# Altium PCB Atlas-Pi.PcbDoc (part 2 of 3) (continued)
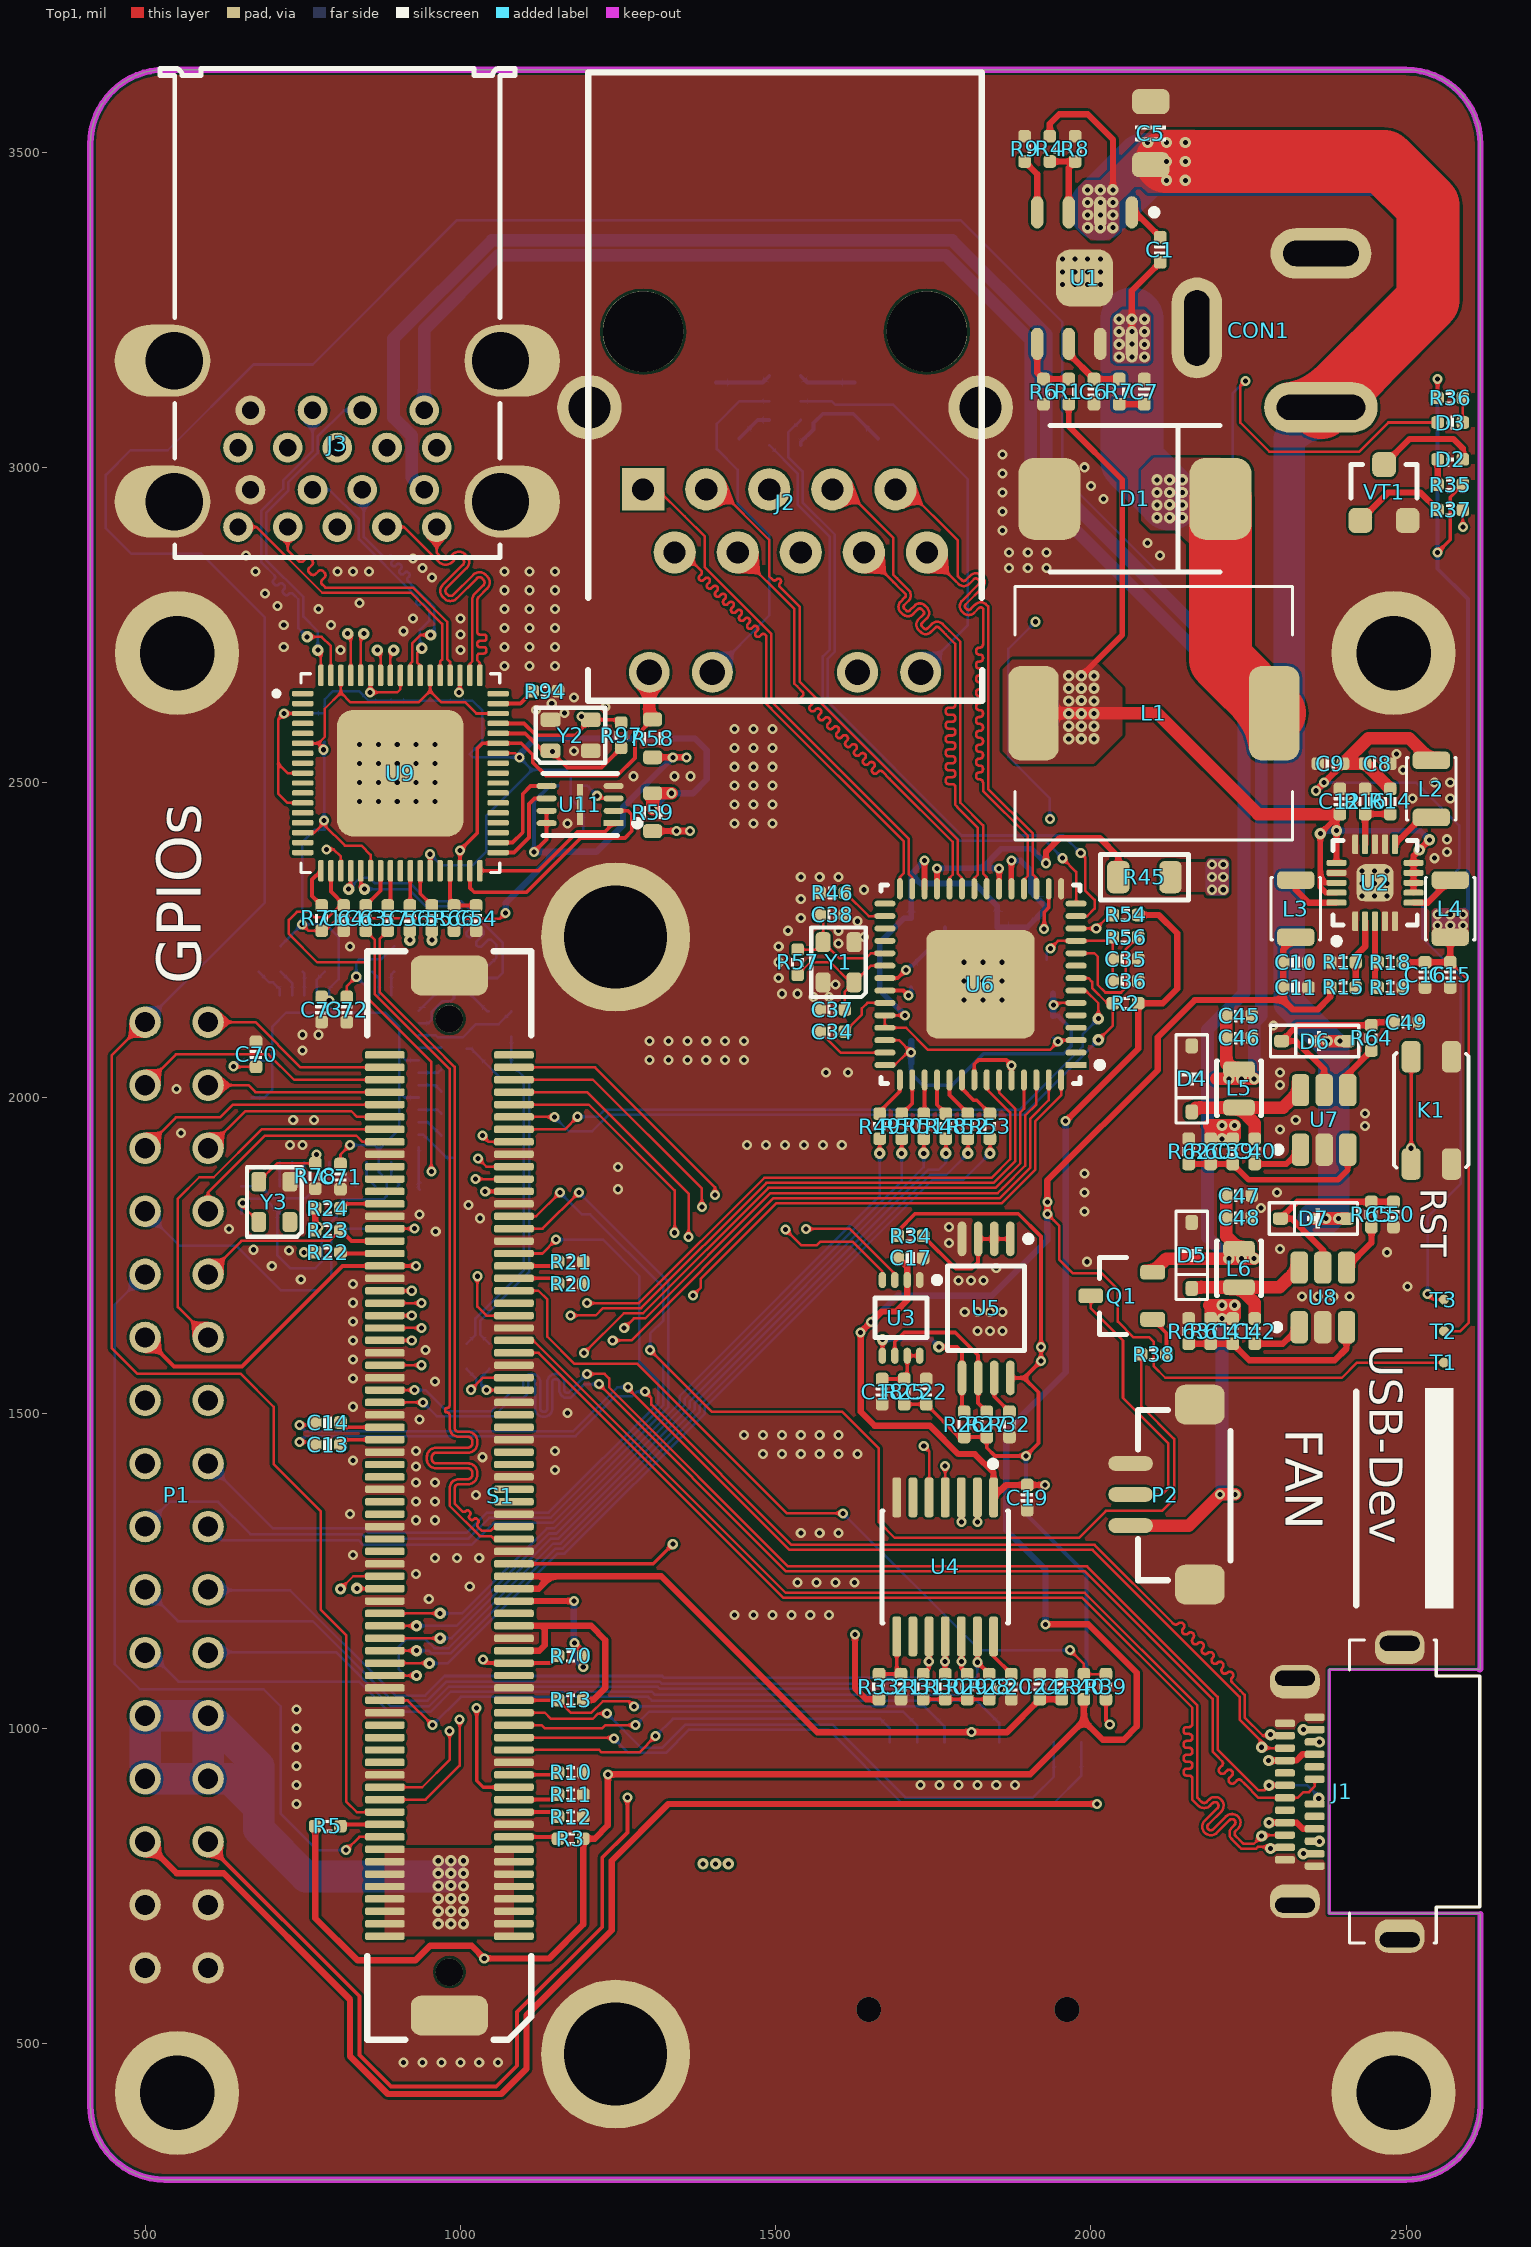
[diagram p0: Top1 view]
## Nets (pads, with @x,y where several pads share a name; then routed paths per layer and width w, separated by ;. In a path a pad name is that pad's centre, name@x,y a point inside that pad or via, vN(x,y) a via of type N, cw(c..) or ccw(c..) an arc to the next point about the centre after c; other vN are vias at no path point) (continued)
  Top1 w10: U7.5@2370,2012.24 2370,2045 2325,2090 D6.2@2302.66,2090 2327.66,2115 R64.1@2445,2115 2450,2120 C49.2@2480,2120
NetC50_2: C50.2 D7.2 R65.1 U8.5 | length 306.4
  Top1 w10: U8.5@2368,1730.74 2368,1759 2318.5,1808.5 D7.2@2300.66,1808.5 2327.16,1835 R65.1@2445,1835 C50.2@2480,1835
NetC55_2: C55.2 U9.28 | length 62.7
  Top1 w6: U9.28@936.5,2360.08 936.5,2323.5 C55.2@955,2305
NetC56_2: C56.2 U9.27 | length 54.3
  Top1 w6: C56.2@920.75,2305.75 U9.27@920.75,2360.08
NetC57_2: C57.2 U9.25 | length 56.8
  Top1 w6: C57.2@885,2305 889.25,2309.25 U9.25@889.25,2360.08
NetC63_2: C63.2 U9.24 | length 64.8
  Top1 w6: C63.2@850,2305 873.5,2328.5 U9.24@873.5,2360.08
NetC65_2: C65.2 R74.1 R83.1 | length 538
  Bottom4 w4: C65.2@1046,1610 1032,1624 1032,1646.69 1109,1723.69 1109,1735 1109,2025 1084,2050 R83.1@1081,2050 R74.1@1081,2097
NetC66_2: C66.2 R67.1 R77.2 U10.21 | length 183.1
  Bottom4 w4: R67.1@653,1860 R77.2@683.25,1860 702.25,1841 755,1841 C66.2@774,1860 752.79,1881.21 U10.21@752.79,1897.62
NetC67_2: C67.2 R76.1 R84.1 | length 563.7
  Bottom4 w4: C67.2@1010,1610 1024,1624 1024,1650 1101,1727 1101,2021.69 1092.69,2030 1065,2030 R84.1@1045,2050 1017,2078 R76.1@1010,2078
NetC68_2: C68.2 R97.2 U9.48 Y2.3 | length 214.9
  Top1 w6: U9.48@1059.92,2593.74 1101.26,2593.74 1120,2575 1182.28,2575 Y2.3@1206.89,2599.61 1250.39,2599.61 R97.2@1255,2595
  other v1: 1192,2605
NetC69_2: C69.2 R97.1 U9.47 Y2.1 | length 230.3
  Top1 w6: U9.47@1059.92,2577.99 1102.87,2577.99 1115.86,2565 1116,2565 1130.61,2550.39 Y2.1@1143.11,2550.39 1169.5,2524 1224,2524 R97.1@1255,2555
  other v1: 1146,2549
NetD2_1: D2.1 R35.2 | length 40
  Top1 w10: R35.2@2550,2972.5 D2.1@2550,3012.5
NetD2_2: D2.2 VT1.3 | length 165.6
  Top1 w10: VT1.3@2465,3004.29 2505.71,3045 2575,3045 2590,3030 D2.2@2590,3012.5
NetD3_1: D3.1 R36.2 | length 39
  Top1 w4: D3.1@2590,3071 R36.2@2590,3110
NetJ2_12: J2.12 R41.1 | length 563.9
  Bottom4 w4: J2.12@1399.69,2674.84 1490,2765.16 1490,2892 1440,2942 1440,2996 1407,3029 1407,3069 1443,3105 R41.1@1490,3105
NetJ2_14: J2.14 R44.1 | length 653.6
  Bottom4 w4: R44.1@1540,3105 1589,3105 1595,3099 1687,3099 1805,2981 1805,2749.84 J2.14@1730,2674.84
NetL2_1: L2.1 U2.11 | length 75.4
  Top1 w10: U2.11@2482.24,2402.05 2524.92,2444.72 L2.1@2540,2444.72
NetL3_1: L3.1 U2.20 | length 88.5
  Top1 w10: L3.1@2325,2345.28 2325,2330 2345.47,2309.53 U2.20@2389.72,2309.53
NetL4_1: L4.1 U2.6 | length 73
  Top1 w10: U2.6@2511.77,2309.53 2534.25,2309.53 L4.1@2570,2345.28
NetP2_2: P2.2 Q1.3 | length 420.2
  Top1 w4: Q1.3@1999.94,1686 1999.94,1666.06 2051,1615 2051,1524 2123,1452 2123,1381 2112.79,1370.79 P2.2@2063,1370.79
NetQ1_1: Q1.1 R38.2 | length 64.7
  Top1 w6: Q1.1@2098.06,1648.6 2120,1626.65 R38.2@2120,1593
NetR3_2: R3.2 S1.18 | length 71.2
  Top1 w6: S1.18@1085,827.88 1152.12,827.88 R3.2@1155,825
NetR4_1: R4.1 R8.2 U1.3 | length 124.8
  Top1 w10: R4.1@1935,3485 R8.2@1975,3485 1965,3475 U1.3@1965,3404.33
NetR5_2: R5.2 S1.19 | length 71.3
  Top1 w6: R5.2@810,845 812.56,847.56 S1.19@880.28,847.56
NetR9_2: R9.2 U1.4 | length 89
  Top1 w10: R9.2@1895,3485 1915,3465 U1.4@1915,3404.33
NetR10_1: R10.1 S1.28 | length 71.5
  Top1 w6: S1.28@1085,926.3 1151.3,926.3 R10.1@1155,930
NetR11_1: R11.1 S1.24 | length 73.3
  Top1 w6: S1.24@1085,886.93 1146.93,886.93 R11.1@1155,895
NetR12_1: R12.1 S1.22 | length 73
  Top1 w6: S1.22@1085,867.24 1147.76,867.24 R12.1@1155,860
NetR14_1: R14.1 R16.2 U2.14 | length 88
  Top1 w10: U2.14@2435,2402.05 R16.2@2435,2450 R14.1@2475,2450
NetR15_1: R15.1 R17.2 U2.2 | length 111.2
  Top1 w10: R15.1@2420,2175 R17.2@2420,2215 2420,2225 2435,2240 U2.2@2435,2280
NetR18_1: R18.1 R19.2 U2.3 | length 100.7
  Top1 w10: R19.2@2450.75,2179.25 U2.3@2450.75,2280
NetR20_2: R20.2 S1.108 | length 73.6
  Top1 w6: S1.108@1085,1713.7 1146.3,1713.7 R20.2@1155,1705
NetR21_2: R21.2 S1.110 | length 72.7
  Top1 w6: S1.110@1085,1733.39 1148.39,1733.39 R21.2@1155,1740
NetR22_1: R22.1 S1.111 | length 71.1
  Top1 w6: R22.1@810,1755 811.93,1753.07 S1.111@880.28,1753.07
NetR24_1: R24.1 S1.119 | length 73.1
  Top1 w6: R24.1@810,1825 816.81,1831.81 S1.119@880.28,1831.81
NetR32_2: R32.2 U5.7 | length 63.8
  Top1 w6: U5.7@1846.8,1555.76 1846.8,1526.2 R32.2@1871,1502
NetR34_1: R34.1 U5.1 U5.2 U5.3 | length 201.2
  Top1 w6: R34.1@1734,1781 1786,1729 1811,1729 1821.2,1739.2 U5.3@1821.2,1776.24 U5.2@1846.8,1776.24 U5.1@1872.39,1776.24
NetR37_2: R37.2 VT1.1 | length 152.1
  Top1 w10: VT1.1@2427.6,2915.71 2471.89,2960 2522.5,2960 R37.2@2550,2932.5
NetR39_1: R39.1 TF1.9 | length 42.5
  Top1 w6: R39.1@2024,1046 2024,1012 v1(2030,1006)
NetR42_2: R42.2 VT2.1 | length 168.2
  Bottom4 w6: R42.2@1540,3035 1540,3040 1560,3060 1560,3070 1575,3085 1623.11,3085 VT2.1@1662.4,3045.71
NetR43_2: R43.2 VT3.1 | length 59.7
  Bottom4 w6: VT3.1@1442.4,3045.71 1471.69,3075 R43.2@1490,3075
NetR46_1: R46.1 U6.30 | length 77.6
  Top1 w4: R46.1@1611,2325 1647.73,2288.27 U6.30@1673.4,2288.27
NetR48_1: R48.1 U6.46 | length 59.2
  Top1 w6: U6.46@1756.1,2028.4 1756.1,1988.9 R48.1@1770,1975
NetR49_1: R49.1 U6.43 | length 67.1
  Top1 w6: R49.1@1664,1975 1664,1977 1697.05,2010.05 U6.43@1697.05,2028.4
NetR50_1: R50.1 U6.44 | length 61.3
  Top1 w6: R50.1@1700,1974 1716.73,1990.73 U6.44@1716.73,2028.4
NetR51_1: R51.1 U6.45 | length 50
  Top1 w6: R51.1@1736.42,1978.42 U6.45@1736.42,2028.4
NetR52_1: R52.1 U6.47 | length 65.5
  Top1 w6: U6.47@1775.79,2028.4 1775.79,2004.21 R52.1@1805,1975
NetR53_1: R53.1 U6.48 | length 74.8
  Top1 w6: U6.48@1795.47,2028.4 1795.47,2014.53 1814,1996 1819,1996 R53.1@1840,1975
NetR56_1: R56.1 U6.10 | length 222.7
  Top1 w4: U6.10@1976.6,2229.21 2005.79,2229.21 2011,2224 2011,2179 2023,2167 2048,2167 2055,2174 2055,2235 R56.1@2075,2255
NetR64_2: R64.2 U7.4 | length 78.3
  Top1 w10: U7.4@2407.4,2012.24 2407.4,2037.4 R64.2@2445,2075
NetR65_2: R65.2 U8.4 | length 80.7
  Top1 w10: U8.4@2405.4,1730.74 2445,1770.34 R65.2@2445,1795
NetR69_2: R69.2 U10.1 | length 48.8
  Bottom4 w4: U10.1@934.38,2138.27 966.11,2170 R69.2@970,2170
NetR71_2: R71.2 U9.18 | length 67.1
  Top1 w6: U9.18@779.02,2360.08 765,2346.06 765,2320 R71.2@780,2305
NetR72_2: R72.2 U10.2 | length 134.6
  Bottom4 w4: U10.2@934.38,2118.58 949.58,2118.58 954.98,2123.98 954.98,2136.57 971.18,2152.77 984.77,2152.77 990,2158 990,2185 R72.2@970,2205
NetR73_1: R73.1 U10.41 | length 42.8
  Bottom4 w4: U10.41@772.47,2162.38 772.47,2187.47 R73.1@785,2200
NetR74_2: R74.2 U10.3 | length 164.8
  Bottom4 w4: U10.3@934.38,2098.9 961.1,2098.9 964,2096 1004,2096 1025,2117 1061,2117 R74.2@1081,2137
NetR75_1: R75.1 U10.40 | length 38.8
  Bottom4 w4: R75.1@750,2200 752.79,2197.21 U10.40@752.79,2162.38
NetR76_2: R76.2 U10.4 | length 35.9
  Bottom4 w4: U10.4@934.38,2079.21 969.21,2079.21 R76.2@970,2080
NetR79_2: R79.2 U10.6 | length 37.8
  Bottom4 w4: U10.6@934.38,2039.84 964.84,2039.84 R79.2@970,2045
NetR80_2: R80.2 U10.7 | length 39.8
  Bottom4 w4: U10.7@934.38,2020.16 959.84,2020.16 R80.2@970,2010
NetR85_1: R85.1 U10.19 | length 63.1
  Bottom4 w4: U10.19@792.16,1897.62 792.16,1888.84 804,1877 817.5,1877 R85.1@834.5,1860
NetR86_2: R86.2 U10.9 | length 38
  Bottom4 w4: U10.9@934.38,1980.79 964.21,1980.79 R86.2@970,1975
NetR87_1: R87.1 U10.22 | length 42
  Bottom4 w4: U10.22@733.1,1897.62 733.1,1870.65 R87.1@743.75,1860
NetR88_2: R88.2 U10.10 | length 44.4
  Bottom4 w4: U10.10@934.38,1961.1 948.9,1961.1 R88.2@970,1940
NetR89_2: R89.2 U10.11 | length 70.7
  Bottom4 w4: U10.11@934.38,1941.42 941.58,1941.42 978,1905 R89.2@990,1905
NetR90_2: R90.2 U10.12 | length 68.2
  Bottom4 w4: U10.12@934.38,1921.73 934.38,1855.62 R90.2@935.86,1854.14
NetR91_1: R91.1 U10.16 | length 43.2
  Bottom4 w4: U10.16@851.21,1897.62 851.21,1873.54 R91.1@864.75,1860
NetR92_2: R92.2 U11.3 | length 56.5
  Top1 w4: v1(1217,2479) 1221.16,2474.84 U11.3@1243.17,2474.84
  Bottom4 w4: R92.2@1195,2495 1201,2495 v1(1217,2479)
NetR93_1: R93.1 U10.46 | length 42.1
  Bottom4 w4: R93.1@860,2200 870.9,2189.1 U10.46@870.9,2162.38
NetR94_2: R94.2 U9.50 | length 63.3
  Top1 w6: U9.50@1059.92,2625.24 1095.24,2625.24 R94.2@1115,2645
NetR95_2: R95.2 U10.14 | length 43.9
  Bottom4 w4: U10.14@890.58,1897.62 890.58,1875.28 903.43,1862.43 R95.2@901,1860
NetR96_2: R96.2 U10.47 | length 39.4
  Bottom4 w4: U10.47@890.58,2162.38 890.58,2195.58 R96.2@895,2200
NetR98_2: R98.2 U10.23 | length 37.7
  Bottom4 w4: U10.23@713.42,1897.62 713.42,1860.08 R98.2@713.5,1860
NetR99_2: R99.2 U10.39 | length 45.1
  Bottom4 w4: R99.2@715,2200 733.1,2181.9 U10.39@733.1,2162.38
NetR100_2: R100.2 U10.38 | length 55
  Bottom4 w4: R100.2@680,2200 697,2183 703,2183 713.42,2172.58 U10.38@713.42,2162.38
PCIE_RX0_N: C56.1 S1.59 | length 1193.1
  Top1 w4: v2(810,1221) 830.26,1241.26 S1.59@880.28,1241.26 ; v2(920,2250) C56.1@920,2265
  Signal3 w4: v2(810,1221) 802,1229 802,1243 793,1252 793,2072 933,2212 933,2237 v2(920,2250)
PCIE_RX0_P: C55.1 S1.57 | length 1191.3
  Top1 w4: v2(836,1222) 836.43,1221.57 S1.57@880.28,1221.57 ; v2(955,2250) C55.1@955,2265
  Signal3 w4: v2(836,1222) 802.74,1255.26 801,1257 801,1271 cw(c805.2,1271) 805.2,1275.2 806.8,1275.2 ccw(c806.8,1279.4) 811,1279.4 811,1283 ccw(c806.8,1283) 806.8,1287.2 805.2,1287.2 cw(c805.2,1291.4) 801,1291.4 801,1295 cw(c805.2,1295) 805.2,1299.2 806.8,1299.2 ccw(c806.8,1303.4) 811,1303.4 811,1307 ccw(c806.8,1307) 806.8,1311.2 805.2,1311.2 cw(c805.2,1315.4) 801,1315.4 801,1337 801,1344 801,2067 942,2208 942,2237 v2(955,2250)
PCIE_TX0_N: C57.1 S1.68 | length 1276.4
  Top1 w4: C57.1@885,2265 872,2252 872,2168 959,2081 991,2049 991,1483 991,1477 ccw(c997.8,1477) 997.8,1470.2 1012.2,1470.2 cw(c1012.2,1455.4) 1027,1455.4 1027,1452 cw(c1012.2,1452) 1012.2,1437.2 961.8,1437.2 ccw(c961.8,1430.4) 955,1430.4 955,1427 ccw(c961.8,1427) 961.8,1420.2 1012.2,1420.2 cw(c1012.2,1405.4) 1027,1405.4 1027,1402 cw(c1012.2,1402) 1012.2,1387.2 997.8,1387.2 ccw(c997.8,1380.4) 991,1380.4 991,1363 991,1356.31 997.16,1350.16 1002.96,1344.36 ccw(c1005.79,1347.18) 1008.61,1344.36 1008.9,1344.64 cw(c1011.44,1342.09) 1013.99,1344.64 1015.26,1343.37 cw(c1012.72,1340.82) 1015.26,1338.27 1014.7,1337.71 ccw(c1017.24,1335.16) 1014.7,1332.62 1015.97,1331.35 ccw(c1018.51,1333.89) 1021.06,1331.35 1021.63,1331.91 cw(c1024.17,1329.37) 1026.72,1331.91 1027.99,1330.64 cw(c1025.44,1328.09) 1027.99,1325.55 1027.71,1325.26 ccw(c1030.54,1322.44) 1027.71,1319.61 1034.31,1313 1036.66,1313 1048,1313 1055,1320 S1.68@1085,1320
PCIE_TX0_P: C63.1 S1.66 | length 1278
  Top1 w4: C63.1@850,2265 864,2251 864,2169 864,2164.69 983,2045.69 983,1521 983,1512 cw(c979,1512) 979,1508 978.8,1508 ccw(c978.8,1505.2) 976,1505.2 976,1503.8 ccw(c978.8,1503.8) 978.8,1501 979,1501 cw(c979,1497) 983,1497 983,1483 983,1477 ccw(c997.8,1477) 997.8,1462.2 1012.2,1462.2 cw(c1012.2,1455.4) 1019,1455.4 1019,1452 cw(c1012.2,1452) 1012.2,1445.2 961.8,1445.2 ccw(c961.8,1430.4) 947,1430.4 947,1427 ccw(c961.8,1427) 961.8,1412.2 1012.2,1412.2 cw(c1012.2,1405.4) 1019,1405.4 1019,1402 cw(c1012.2,1402) 1012.2,1395.2 997.8,1395.2 ccw(c997.8,1380.4) 983,1380.4 983,1363 983,1353 1031,1305 1049,1305 1053.69,1300.32 S1.66@1085,1300.32
PEXCREQ: S1.44
PEXRST: C64.2 S1.122 U9.19 | length 847.5
  Top1 w4: C64.2@815,2305 809,2305 790,2286 769,2286 760,2295 741,2295 728,2282 728,2260 773,2215 847,2215 855,2207 855,2156 954,2057 v1(954,1883)
  Top1 w6: U9.19@794.76,2360.08 794.76,2327.24 815,2307 C64.2@815,2305 ; v1(1039.51,1851.49) S1.122@1085,1851.49
  Signal3 w6: v1(954,1883) 985.51,1851.49 v1(1039.51,1851.49)
PEXWAKE: R70.2 S1.46 U9.20 | length 1750.1
  Top1 w4: v1(788,2394) 799,2394 810.51,2382.49 U9.20@810.51,2360.08
  Top1 w6: v1(1036,1109) 1041.53,1103.47 S1.46@1085,1103.47 1143.47,1103.47 R70.2@1155,1115
  Signal3 w4: v1(788,2394) 837.06,2394 961.06,2270 976.06,2270 990,2256.06 990,2240 810,2060 810,1391 1036,1165 v1(1036,1109)
PHY_PCIE_CLK_N: R72.1 R82.1 U9.22 | length 465.8
  Top1 w4: U9.22@842.01,2360.08 842.01,2336.99 v2(848,2331)
  Bottom4 w4: v2(848,2331) 918,2331 945,2304 993.53,2304 996,2304 1003.96,2296.04 cw(c1000.07,2292.15) 1003.96,2288.26 995.55,2279.86 ccw(c999.44,2275.97) 995.55,2272.08 ccw(c999.44,2275.97) 1003.33,2272.08 1012.58,2281.33 cw(c1016.47,2277.44) 1020.36,2281.33 cw(c1016.47,2277.44) 1020.36,2273.55 1011.11,2264.31 ccw(c1015,2260.42) 1011.11,2256.53 ccw(c1015,2260.42) 1018.89,2256.53 1028.13,2265.77 cw(c1032.02,2261.88) 1035.91,2265.77 cw(c1032.02,2261.88) 1035.91,2257.99 1026.67,2248.75 ccw(c1030.56,2244.86) 1026.67,2240.97 ccw(c1030.56,2244.86) 1034.44,2240.97 1042.85,2249.37 cw(c1046.74,2245.48) 1050.63,2249.37 1057,2243 1057,2224 1057,2222 R82.1@1045,2210 1015,2210 R72.1@1010,2205
PHY_PCIE_CLK_P: R69.1 R81.1 U9.21 | length 489.8
  Top1 w4: v2(823,2331) 826.26,2334.26 U9.21@826.26,2360.08
  Bottom4 w4: v2(823,2331) 841,2349 856,2349 865,2340 921,2340 949,2312 1001,2312 1067,2246 1067,2198 1059,2190 1030,2190 R69.1@1010,2170 1043,2137 R81.1@1045,2137
PONRST: C54.1 R66.1 U9.31 | length 92.7
  Top1 w6: U9.31@983.74,2360.08 983.74,2311.26 R66.1@990,2305 C54.1@1025,2305
PWM0: P1.17 R38.1 S1.118 | length 2768
  Top1 w4: S1.118@1085,1812.12 1120.12,1812.12 v1(1158,1850) ; v1(1301,1600) 1399,1502 1606,1502 1664,1444 1664,1327 1689,1302 1981,1302 2024,1345 2113,1345 2132,1364 2132,1459 2080,1511 R38.1@2080,1593
  Bottom4 w4: P1.17@500,1320 539,1359 616,1359 667,1308 844,1308 851,1301 1013,1301 1046,1334 1143.31,1334 1322,1512.69 1322,1521.69 1322,1579 v1(1301,1600) 1301,1626 1322,1647 1322,1699 1206,1815 1193,1815 v1(1158,1850)
PWM1: P1.18 S1.116 | length 1358.8
  Top1 w4: S1.116@1085,1792.44 1130.44,1792.44 v1(1188,1850)
  Bottom4 w4: P1.18@600,1320 622,1298 839,1298 846,1291 1018,1291 1053,1326 1146.63,1326 1330,1509.37 1330,1518.37 1330,1708 v1(1188,1850)
RGMII_RXD0: R50.2 S1.51 | length 1185.6
  Top1 w4: S1.51@880.28,1162.52 v2(930.48,1162.52) ; v2(1700,1912) R50.2@1700,1935
  Bottom4 w4: v2(930.48,1162.52) 994.27,1162.52 1140.75,1309 1143.25,1309 1152.31,1309 1356,1512.69 1356,1521.75 1356,1522.31 1356,1523 1700,1867 v2(1700,1912)
RGMII_RXD1: R51.2 S1.49 | length 1214.8
  Top1 w4: S1.49@880.28,1142.84 967.84,1142.84 v2(968,1143) ; v2(1735,1912) R51.2@1735,1935
  Bottom4 w4: v2(968,1143) 986.06,1143 1144.06,1301 1146.57,1301 1155.63,1301 1364,1509.37 1364,1518.43 1364,1519 1735,1890 v2(1735,1912)
RGMII_RXD2: R52.2 S1.47 | length 1283.6
  Top1 w4: S1.47@880.28,1123.15 v2(930.48,1123.15) ; v2(1805,1912) R52.2@1805,1935
  Bottom4 w4: v2(930.48,1123.15) 949.85,1123.15 954,1119 984.69,1119 1150.69,1285 1153.2,1285 1162.25,1285 1380,1502.75 1380,1511.8 1380,1512.37 1745.63,1878 1763,1878 1771,1878 v2(1805,1912)
RGMII_RXD3: R53.2 S1.45 | length 1323.7
  Top1 w4: S1.45@880.28,1103.47 950.53,1103.47 v2(951,1103) ; v2(1840,1912) R53.2@1840,1935
  Bottom4 w4: v2(951,1103) 980,1103 1154,1277 1156.51,1277 1165.57,1277 1388,1499.43 1388,1508.49 1388,1509.06 1748.94,1870 1798,1870 v2(1840,1912)
RGMII_RXD_CLK: R48.2 S1.43 | length 1359.3
  Top1 w4: S1.43@880.28,1083.78 v2(930.48,1083.78) ; v2(1770,1912) R48.2@1770,1935
  Bottom4 w4: v2(930.48,1083.78) 912.22,1083.78 902,1094 902,1129 914,1141 945,1141 959,1127 981.37,1127 1147.37,1293 1149.88,1293 1158.94,1293 1372,1506.06 1372,1515.12 1372,1515.69 1742.31,1886 1759,1886 1770,1897 v2(1770,1912)
RGMII_RXD_EN: R49.2 S1.53 | length 1156.1
  Top1 w4: S1.53@880.28,1182.2 v2@967.84,1182.2 ; v2(1665,1912) R49.2@1665,1935
  Bottom4 w4: v2(968,1182.37) 1002.8,1182.37 1137.43,1317 1149,1317 1348,1516 1348,1527 1665,1844 v2(1665,1912)
RGMII_TXD0: S1.103 U6.50 | length 1227.5
  Top1 w4: S1.103@880.28,1674.33 v1(938.67,1674.33) ; v1(1200.67,1674.33) 1283.33,1674.33 1482,1873 1842.43,1873 1872,1902.57 1872,1977 1834.84,2014.16 U6.50@1834.84,2028.4
  Signal3 w4: v1(938.67,1674.33) v1(1200.67,1674.33)
RGMII_TXD1: S1.101 U6.51 | length 1240.7
  Top1 w4: S1.101@880.28,1654.65 v1(922.99,1654.65) ; v1(1174.82,1654.82) 1214.82,1654.82 1226.33,1666.33 1286.64,1666.33 1485.31,1865 1845.75,1865 1853.75,1873 1880,1899.25 1880,1983 1854.53,2008.47 U6.51@1854.53,2028.4
  Signal3 w4: v1(922.99,1654.65) 1174.65,1654.65 v1(1174.82,1654.82)
RGMII_TXD2: S1.99 U6.54 | length 1265.5
  Top1 w4: S1.99@880.28,1634.96 v1(938.67,1634.96) ; v1(1259.96,1634.96) 1275.33,1650.33 1293.27,1650.33 1491.94,1849 1508.82,1849 1852.37,1849 1860.37,1857 1896,1892.63 1896,1972 1913.58,1989.58 U6.54@1913.58,2028.4
  Signal3 w4: v1(938.67,1634.96) v1(1259.96,1634.96)
RGMII_TXD3: S1.97 U6.55 | length 1288.4
  Top1 w4: S1.97@880.28,1615.28 v1(922.99,1615.28) ; v1(1241.73,1615.28) 1271.28,1615.28 1497,1841 1512.14,1841 1855.69,1841 1863.69,1849 1904,1889.31 1904,1967 1933.27,1996.27 U6.55@1933.27,2028.4
  Signal3 w4: v1(922.99,1615.28) v1(1241.73,1615.28)
RGMII_TXD_CLK: S1.93 U6.53 | length 1275.3
  Top1 w4: S1.93@880.28,1575.9 v1(938.67,1575.9) ; v1(1196,1595) 1259.33,1658.33 1289.96,1658.33 1488.63,1857 1505.51,1857 1849.06,1857 1857.06,1865 1888,1895.94 1888,1976.94 1894,1982.94 1894,2028.3 U6.53@1893.9,2028.4
  Signal3 w4: v1(938.67,1575.9) 1176.91,1575.9 v1(1196,1595)
RGMII_TXD_EN: S1.105 U6.56 | length 1285.3
  Top1 w4: S1.105@880.28,1694.02 v1(922.99,1694.02) ; v1(1368.77,1686.32) 1381,1698.55 1381,1712.69 1501.31,1833 1859,1833 1867,1841 1912,1886 1912,1963 1952.95,2003.95 U6.56@1952.95,2028.4
  Signal3 w4: v1(922.99,1694.02) 1229.99,1694.02 1237.68,1686.32 v1(1368.77,1686.32)
SD_DETECT/GPIO3: R39.2 R40.2 S1.106 | length 1234.8
  Top1 w4: S1.106@1085,1694.02 1123.99,1694.02 1138,1680 1138,1621 1181,1578 1281,1578 1518,1341 v1(1606.84,1341) ; v1(1967,1124) 1989,1102 R40.2@1989,1086 R39.2@2024,1086
  Bottom4 w4: v1(1606.84,1341) 1823.84,1124 v1(1967,1124)
SDIO0_CLK: S1.39 TF1.5 | length 1057.3
  Top1 w4: S1.39@880.28,1044.41 916.59,1044.41 v1(956,1005)
  Bottom4 w4: v1(956,1005) 1001,1050 1298,1050 1304,1044 1819,1044 1854.53,1008.47 TF1.5@1854.53,977.64
SDIO0_CMD: R13.1 S1.40 TF1.3 | length 739.9
  Top1 w4: R13.1@1155,1045 1175,1025 1208,1025 1226,1043 1267.34,1043 v1(1275.67,1034.67)
  Top1 w6: S1.40@1085,1044.41 1153.41,1044.41 R13.1@1154,1045
  Bottom4 w4: v1(1275.67,1034.67) 1736.33,1034.67 1767.91,1003.09 TF1.3@1767.91,977.64
SDIO0_D0: S1.38 TF1.7 | length 1017.9
  Top1 w4: S1.38@1085,1024.73 1134.28,1024.73 1144,1015 1210,1015 1218.5,1023.5 v1(1232.5,1023.5)
  Bottom4 w4: v1(1232.5,1023.5) 1287,969 1320,969 1357,1006 1590,1006 1706,890 1908,890 1941.14,923.14 TF1.7@1941.14,977.64
SDIO0_D1: S1.34 TF1.8 | length 1043.7
  Top1 w4: S1.34@1085,985.36 1242.65,985.36 v1(1244,984)
  Bottom4 w4: v1(1244,984) 1267,961 1326,961 1363,998 1584,998 1700,882 1942,882 1984.45,924.45 TF1.8@1984.45,977.64
SDIO0_D2: S1.32 TF1.1 | length 648.2
  Top1 w4: S1.32@1085,965.67 1220.33,965.67 1224,962 1284,962 v1(1309.63,987.63)
  Bottom4 w4: v1(1309.63,987.63) 1337,1015 1666,1015 1681.3,999.7 TF1.1@1681.3,977.64
SDIO0_D3: S1.36 TF1.2 | length 688.7
  Top1 w4: S1.36@1085,1005.04 1128.96,1005.04 1134,1000 1225,1000 1230,1005 v1(1278,1005)
  Bottom4 w4: v1(1278,1005) 1299.67,1026.67 1702.33,1026.67 1724.61,1004.39 TF1.2@1724.61,977.64
SPI1_CLK: P1.13 S1.126 | length 1819
  Top1 w4: v1(1028,1904) 1041.14,1890.86 S1.126@1085,1890.86
  Signal3 w4: P1.13@500,1520 540,1560 540,1662 553,1675 553,1745 582,1774 668,1774 707,1813 707,2360.69 762.31,2416 835.69,2416 837.69,2416 967.69,2286 982.69,2286 1060,2208.69 1060,1936 v1(1028,1904)
SPI1_CS: P1.12 S1.131 | length 613.7
  Top1 w4: P1.12@600,1620 552,1668 552,1840 586,1874 609,1874 684.92,1949.92 S1.131@880.28,1949.92
SPI1_MISO: P1.15 S1.124 | length 2076.5
  Top1 w4: v1(1023.82,1871.18) S1.124@1085,1871.18
  Signal3 w4: P1.15@500,1420 498,1420 447,1471 447,1843 478,1874 651,1874 695,1918 695,2360 759,2424 841,2424 971,2294 986,2294 1070,2210 1070,1917.36 v1(1023.82,1871.18)
SPI1_MOSI: P1.14 S1.130 | length 1704.2
  Top1 w4: v1(1035,1940) 1044.77,1930.23 S1.130@1085,1930.23
  Signal3 w4: P1.14@600,1520 553,1567 553,1644 584,1675 610,1675 715,1780 715,2357.37 765.63,2408 834.37,2408 964.37,2278 979.37,2278 1048,2209.37 1048,1973 1035,1960 v1(1035,1940)
SPICK: U9.35 U11.6 | length 143.5
  Top1 w6: U9.35@1059.92,2389.02 1085.02,2389.02 1109,2413 1109,2466 1117.84,2474.84 U11.6@1136.83,2474.84
SPICS: U9.34 U11.1 | length 243.4
  Top1 w6: U9.34@1030.98,2360.08 1124.08,2360.08 1186,2422 1229.7,2422 U11.1@1243.17,2435.47
SPISI: U9.36 U11.5 | length 149.8
  Top1 w6: U9.36@1059.92,2404.76 1082.76,2404.76 1099,2421 1099,2482 1111.53,2494.53 U11.5@1136.83,2494.53
SPISO: U9.33 U11.2 | length 384.4
  Top1 w6: U9.33@1015.24,2360.08 1015.24,2332.76 1022,2326 1105,2326 1191,2412 1261,2412 1272,2423 1272,2449 1265.84,2455.16 U11.2@1243.17,2455.16
SSRX1_N: J3.B5 U9.56 | length 470.1
  Top1 w4: J3.B5@647.52,2905.24 676.76,2905.24 781,2801 921.69,2801 971,2751.69 971,2695 968,2692 U9.56@967.99,2669.92
SSRX1_P: J3.B6 U9.55 | length 470.5
  Top1 w4: J3.B6@726.26,2905.24 726.26,2873.37 726.26,2868.74 743.55,2851.45 ccw(c747.51,2855.41) 751.47,2851.45 754.86,2854.85 cw(c758.82,2850.89) 762.78,2854.85 764.76,2852.87 cw(c760.8,2848.91) 764.76,2844.95 760.52,2840.71 ccw(c764.48,2836.75) 760.52,2832.79 762.5,2830.81 ccw(c766.46,2834.77) 770.42,2830.81 774.66,2835.05 cw(c778.62,2831.09) 782.58,2835.05 784.56,2833.07 cw(c780.6,2829.11) 784.56,2825.15 781.17,2821.75 ccw(c785.13,2817.79) 781.17,2813.83 786,2809 795,2809 925,2809 979,2755 979,2696 983.74,2691.26 U9.55@983.74,2669.92
SSRX2_N: J3.A5 U9.65 | length 555.5
  Top1 w4: v2(821.24,2736.08) 826.26,2731.06 U9.65@826.26,2669.92
  Signal3 w4: J3.A5@647.52,3031.22 667.78,3031.22 706,2993 706,2948 682,2924 682,2877.69 706.69,2853 738.69,2853 745.34,2846.34 749.56,2842.13 ; 749.6,2842.09 ccw(c758.35,2850.87) 767.13,2842.11 770.06,2845.04 ; 770.08,2845.06 cw(c773.2,2841.96) 776.33,2845.05 777.85,2843.54 ; 777.85,2837.27 758.88,2818.3 758.88,2818.12 ccw(c768.82,2810.7) 760.08,2801.91 761.58,2800.41 ccw(c770.37,2809.15) 779.16,2800.4 782.09,2803.33 cw(c785.22,2800.24) 788.36,2803.33 804.27,2787.41 807.34,2784.34 830,2761.69 830,2744.84 v2(821.24,2736.08) ; 777.85,2837.28 ccw(c774.76,2840.4) 777.85,2843.53
SSRX2_P: J3.A6 U9.64 | length 562.9
  Top1 w4: U9.64@842.01,2669.92 842,2731.06 v2(847.02,2736.08)
  Signal3 w4: J3.A6@726.26,3031.22 714,3018.96 714,2999 714,2989 ccw(c718,2989) 718,2985 723,2985 cw(c723,2981) 727,2981 727,2979 cw(c723,2979) 723,2975 718,2975 ccw(c718,2971) 714,2971 714,2969 ccw(c718,2969) 718,2965 723,2965 cw(c723,2961) 727,2961 727,2959 cw(c723,2959) 723,2955 718,2955 ccw(c718,2951) 714,2951 714,2944.69 704.31,2935 690,2920.69 690,2881 710,2861 742,2861 751,2852 755.23,2847.77 ccw(c758.35,2850.87) 761.48,2847.77 765.61,2851.9 765.79,2851.9 cw(c773.2,2841.96) 781.99,2850.71 783.5,2849.19 ; 765.72,2813.83 ccw(c768.82,2810.7) 765.72,2807.58 767.24,2806.06 ccw(c770.37,2809.15) 773.5,2806.05 776.45,2809 cw(c785.22,2800.24) 792.64,2810.18 792.82,2810.18 793.98,2809.02 809.93,2793.07 813,2790 838,2765 838,2745.09 v2(847.02,2736.08) ; 765.74,2813.84 783.5,2831.61 ccw(c774.76,2840.4) 783.51,2849.19
SSTX1_N: J3.B8 U9.53 | length 470.6
  Top1 w4: J3.B8@883.74,2905.24 910.76,2905.24 962.5,2853.5 966.71,2849.29 ccw(c976.64,2859.16) 986.56,2849.28 993.61,2856.33 cw(c997.88,2852.11) 1002.15,2856.32 ; 1002.16,2856.31 1004.2,2854.27 cw(c1000,2849.99) 1004.27,2845.77 972.42,2813.92 ccw(c982.3,2804) 972.42,2794.08 974.5,2792 ccw(c984.42,2801.88) 994.33,2791.99 1026.14,2823.8 cw(c1030.41,2819.58) 1034.68,2823.8 ; U9.53@1015.24,2669.92 1015.24,2688.24 1019,2692 1019,2744.67 1019,2789.65 cw(c1033,2789.65) 1023.12,2799.57 1036.79,2813.24 ccw(c1032.53,2817.46) 1036.77,2821.7 ; 1034.69,2823.79 1036.75,2821.73
SSTX1_P: J3.B9 U9.52 | length 469.2
  Top1 w4: J3.B9@962.48,2905.24 962.48,2864.83 968.16,2859.16 972.38,2854.93 ccw(c976.64,2859.16) 980.9,2854.93 ; 978.08,2799.74 980.15,2797.66 ccw(c984.42,2801.88) 988.64,2797.61 1020.48,2829.46 cw(c1030.41,2819.58) 1038.97,2830.65 1039.13,2830.65 1040.28,2829.5 cw(c1030.41,2819.58) 1040.32,2829.46 1042.4,2827.38 cw(c1032.53,2817.46) 1042.41,2807.55 ; 978.07,2799.74 cw(c982.3,2804) 978.07,2808.26 1009.87,2840.06 ccw(c1000,2849.99) 1011.07,2858.56 1011.07,2858.71 1009.92,2859.86 ccw(c1000,2849.99) 1009.88,2859.91 1007.8,2861.99 ccw(c997.88,2852.11) 1007.76,2862.03 1006.61,2863.18 1006.45,2863.18 ccw(c997.88,2852.11) 987.96,2861.99 980.91,2854.94 ; U9.52@1030.98,2669.92 1030.98,2690.02 1030.36,2690.64 1027,2694 1027,2700.64 cw(c1031,2700.64) 1031,2704.64 1037.41,2704.64 ccw(c1037.41,2708.64) 1041.41,2708.64 1041.41,2710.64 ccw(c1037.41,2710.64) 1037.41,2714.64 1031,2714.64 cw(c1031,2718.64) 1027,2718.64 1027,2720.64 cw(c1031,2720.64) 1031,2724.64 1037.41,2724.64 ccw(c1037.41,2728.64) 1041.41,2728.64 1041.41,2730.64 ccw(c1037.41,2730.64) 1037.41,2734.64 1031,2734.64 cw(c1031,2738.64) 1027,2738.64 1027,2746 1027,2789.65 cw(c1033,2789.65) 1028.77,2793.91 1042.4,2807.53